# Altium PCB CL-HC-M-V2.1gerber.PcbDoc (part 12 of 18) (continued)
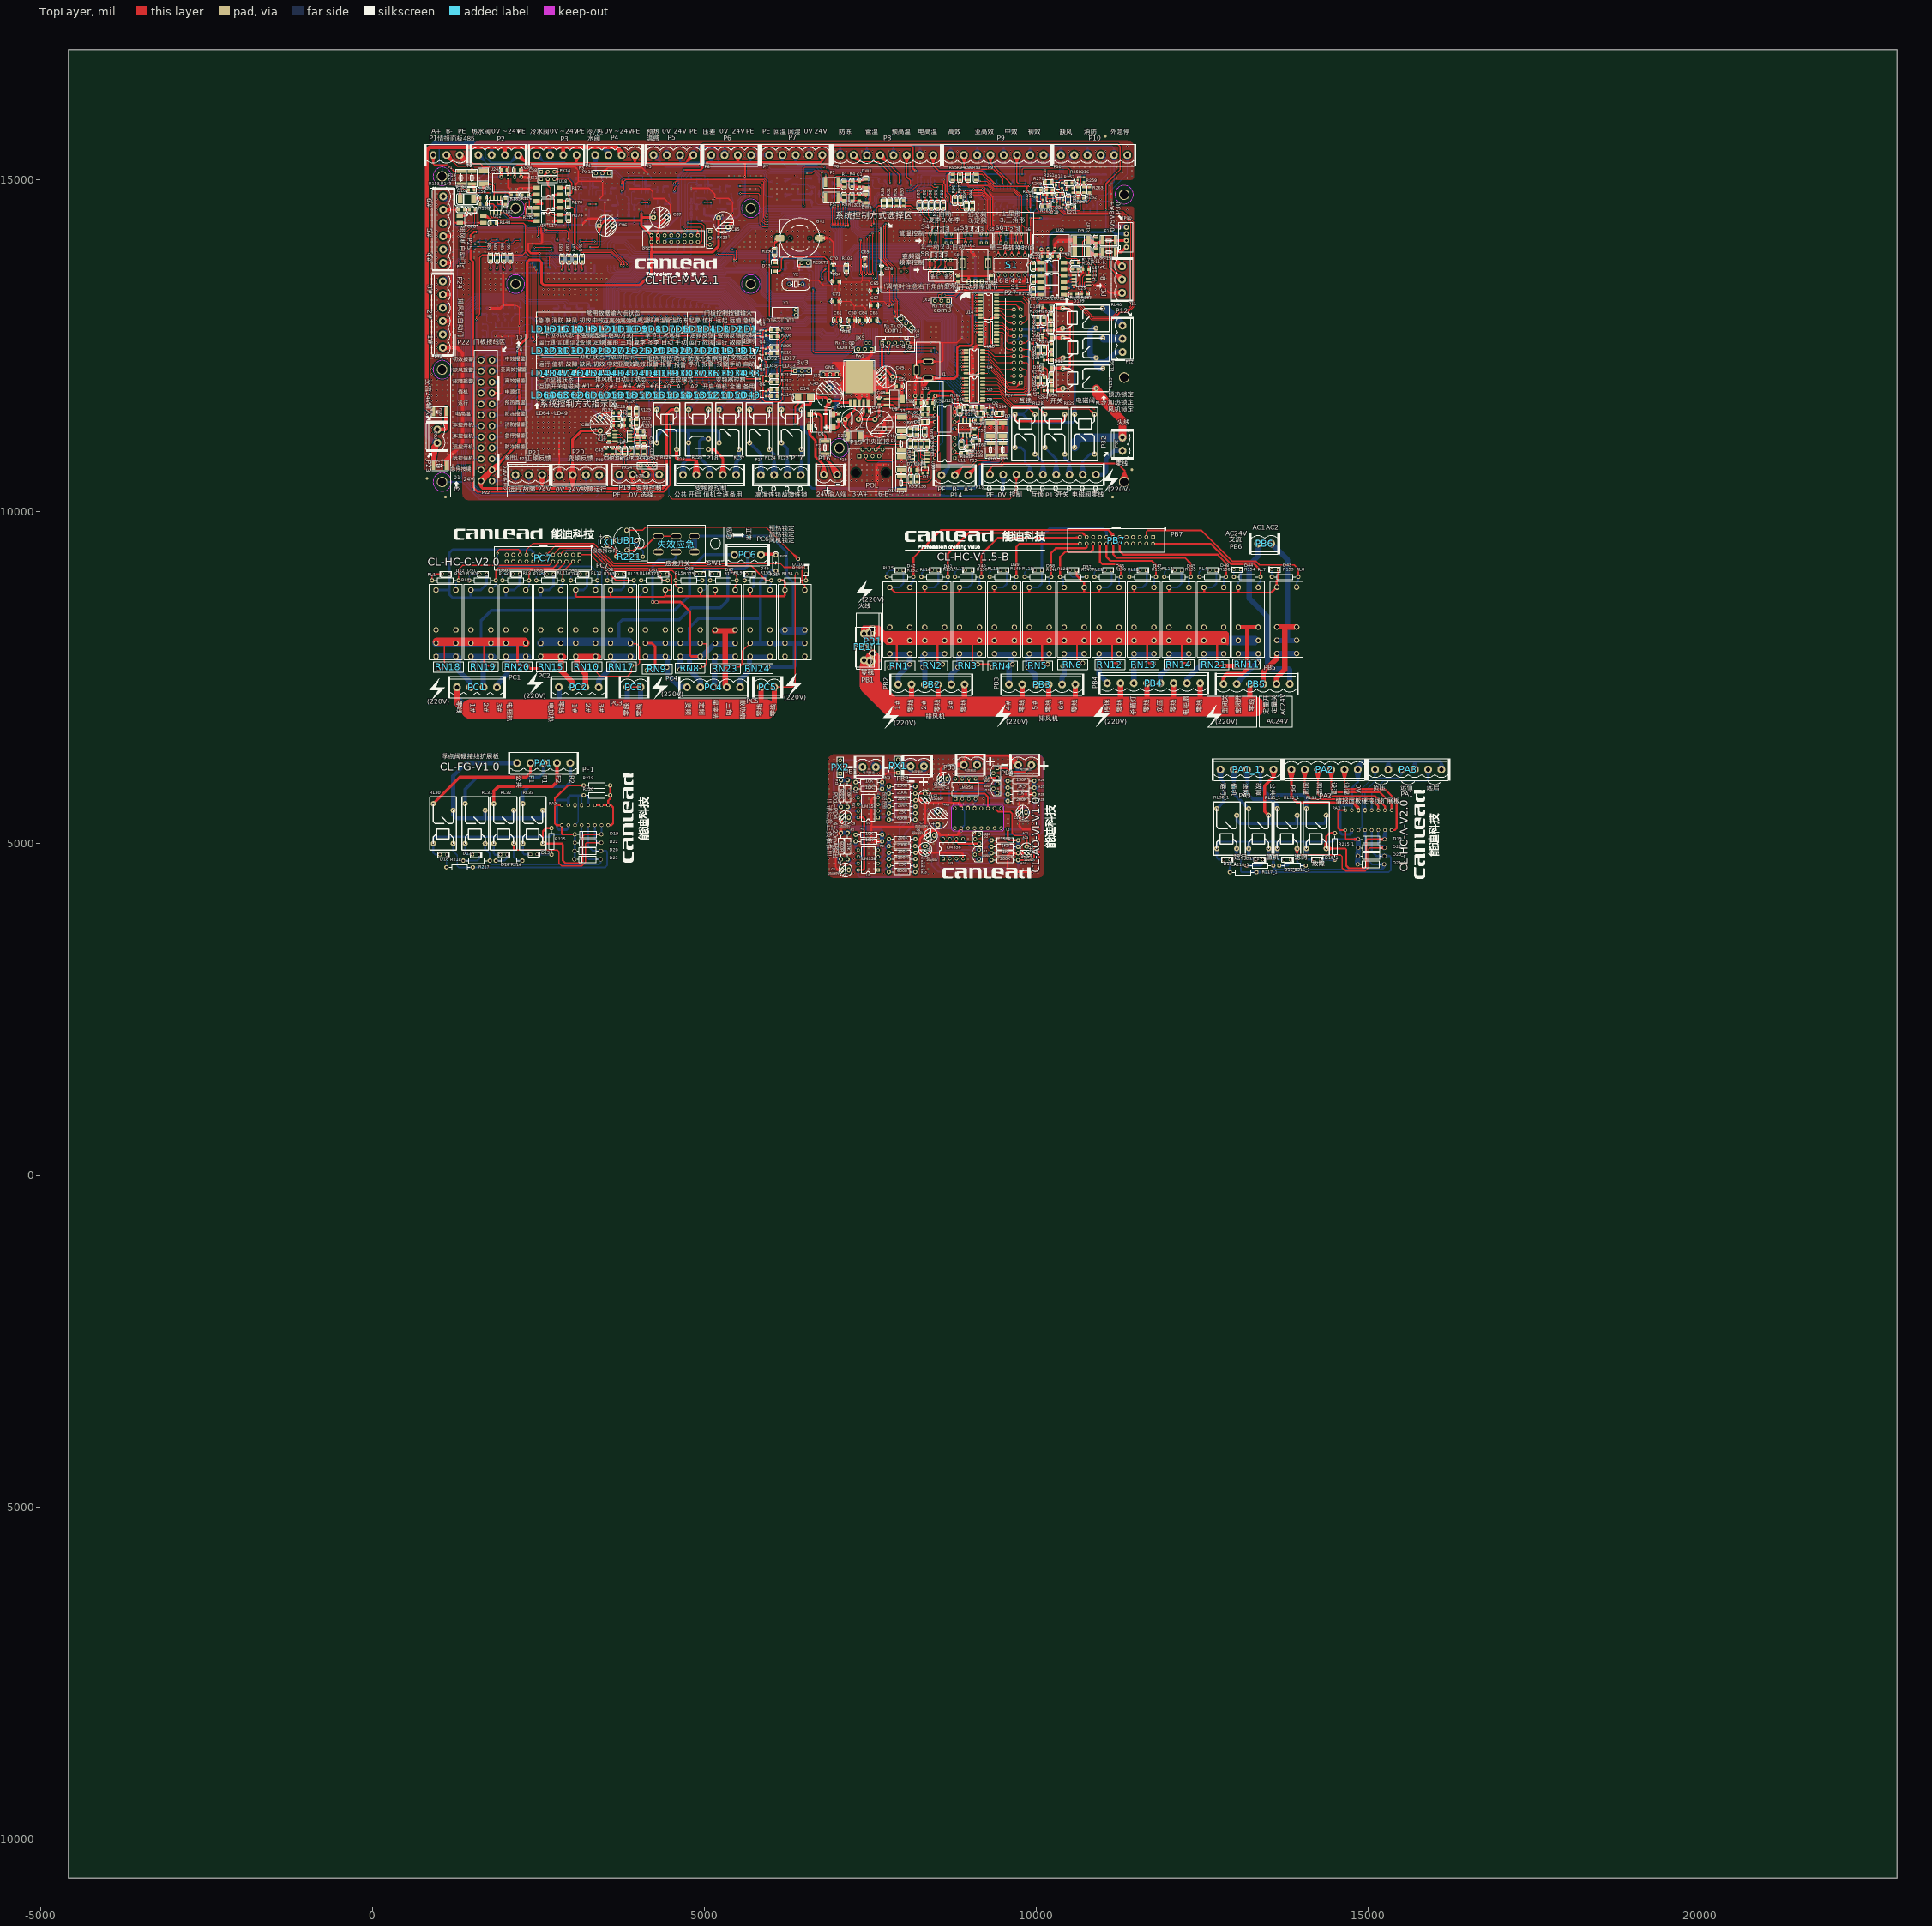
[diagram p0: TopLayer view]
## Nets (pads, with @x,y where several pads share a name; then routed paths per layer and width w, separated by ;. In a path a pad name is that pad's centre, name@x,y a point inside that pad or via, vN(x,y) a via of type N, cw(c..) or ccw(c..) an arc to the next point about the centre after c; other vN are vias at no path point) (continued)
  BottomLayer w10: R203.2@4053.95,12983.84 v1@4068.79,12936.09 ; v1@4060.78,12269.4 4068.79,12227.65 ; v1@4060.78,12270.92 4068.79,12312.67 ; v1@4060.78,12602.38 4068.79,12560.63 ; v1@4060.78,12602.45 4068.43,12560.64 v1@4075.72,12602.51 ; v1@4060.78,12603.9 4068.79,12645.65 ; v1@4060.78,12930.01 4068.79,12888.25 ; v1@4060.85,12929.53 R203.2@4057.46,12972.54 ; v1@4061.24,12933.43 R203.2@4080,12972.2 ; v1@4061.32,11937.84 4068.79,11979.68 ; 4068.25,12363.38 4068.79,12489.78 v1(4068.79,11937.18) 4068.79,11979.68 ; v1@4075.32,12933.26 R203.2@4057.46,12972.54 ; v1@4075.61,12929.35 R203.2@4080,12972.2 ; v1@4075.72,12269.59 4068.79,12227.65 ; v1@4075.72,12270.72 4068.79,12312.67 ; v1@4075.72,12602.58 4068.79,12560.63 ; v1@4075.72,12603.71 4068.79,12645.65 ; v1@4075.72,12930.2 4068.79,12888.25 ; v1@4076.26,11937.84 4068.79,11979.68 ; R203.2@4083.62,12983.84 v1@4068.79,12936.09 ; R203.2@4057.46,12972.54 v1(4068.25,12930.77) ; v1(4068.25,12603.14) 4068.79,12476.74 R203.2@4068.79,12986.09 v1@4068.79,12936.09 ; v1(4068.25,12603.14) 4068.79,12645.65 ; v1(4068.25,12603.14) 4068.79,12560.63 ; v1(4068.25,12930.77) R203.2@4080,12972.2 ; v1(4068.25,12930.77) R203.2@4068.79,12973.28 ; v1(4068.25,12930.77) R203.2@4068.79,12973.27 ; v1(4068.25,12930.77) 4068.79,12888.25 ; 4068.79,12227.65 v1(4068.25,12270.16) 4068.79,12312.67 ; R203.2@4068.79,12973.28 4060.78,12931.52 R203.2@4068.79,12973.27 ; R203.2@4068.79,12973.28 4075.72,12931.33 R203.2@4068.79,12973.27
LED-OUT-PIN14: LD14.K LD30.K LD46.K LD62.K R204.2 | length 8359.4
  TopLayer w10: LD46.K@3026.9,12086.56 3084.3,12086.56 3143.51,12145.76 3473.94,12145.76 3553.17,12224.99 3931.85,12224.99 v1(3977.02,12270.16) 3943.31,12236.45 ; LD30.K@3026.9,12419.54 3084.3,12419.54 3143.51,12478.74 3473.94,12478.74 3553.17,12557.98 3931.85,12557.98 v1(3977.02,12603.14) 3943.31,12569.43 ; LD14.K@3026.9,12747.17 3084.3,12747.17 3143.51,12806.37 3473.94,12806.37 3553.17,12885.6 3931.85,12885.6 v1(3977.02,12930.77) 3943.31,12897.05 ; LD62.K@3027.44,11753.58 3084.85,11753.58 3144.05,11812.78 3474.48,11812.78 3553.71,11892.01 3932.4,11892.01 v1(3977.56,11937.18) 3943.85,11903.46 ; LD46.K@3027.81,12076.6 3081.9,12086.56 ; LD46.K@3027.81,12096.52 3081.9,12086.56 ; LD30.K@3027.81,12409.58 3081.9,12419.54 ; LD30.K@3027.81,12429.5 3081.9,12419.54 ; LD14.K@3027.81,12737.21 3081.9,12747.17 ; LD14.K@3027.81,12757.12 3081.9,12747.17 ; LD62.K@3028.35,11743.62 3082.44,11753.58 ; LD62.K@3028.35,11763.53 3082.44,11753.58 ; LD46.K@3030.53,12066.89 3081.9,12086.56 ; LD46.K@3030.53,12106.23 3081.9,12086.56 ; LD30.K@3030.53,12399.87 3081.9,12419.54 ; LD30.K@3030.53,12439.21 3081.9,12419.54 ; LD14.K@3030.53,12727.5 3081.9,12747.17 ; LD14.K@3030.53,12766.83 3081.9,12747.17 ; LD62.K@3031.08,11733.91 3082.44,11753.58 ; LD62.K@3031.08,11773.24 3082.44,11753.58 ; v1@3971.32,12275.03 3943.31,12236.45 ; v1@3971.32,12608.01 3943.31,12569.43 ; v1@3971.32,12935.64 3943.31,12897.05 ; v1@3971.86,11942.05 3943.85,11903.46 ; v1@3981.89,12264.45 3943.31,12236.45 ; v1@3981.89,12597.44 3943.31,12569.43 ; v1@3981.89,12925.06 3943.31,12897.05 ; v1@3982.43,11931.47 3943.85,11903.46
  BottomLayer w10: R204.2@3962.73,12983.84 v1@3977.56,12936.09 ; v1@3969.56,12269.4 3977.56,12227.65 ; v1@3969.56,12270.92 3977.56,12312.67 ; v1@3969.56,12602.38 3977.56,12560.63 ; v1@3969.55,12602.45 3977.21,12560.64 v1@3984.49,12602.51 ; v1@3969.56,12603.9 3977.56,12645.65 ; v1@3969.56,12930.01 3977.56,12888.25 ; v1@3969.62,12929.53 R204.2@3966.24,12972.54 ; v1@3970.01,12933.43 R204.2@3988.77,12972.2 ; v1@3970.09,11937.84 3977.56,11979.68 ; 3977.02,12363.38 3977.56,12483.26 ; v1@3984.09,12933.26 R204.2@3966.24,12972.54 ; v1@3984.39,12929.35 R204.2@3988.77,12972.2 ; v1@3984.5,12269.59 3977.56,12227.65 ; v1@3984.5,12270.72 3977.56,12312.67 ; v1@3984.5,12602.58 3977.56,12560.63 ; v1@3984.5,12603.71 3977.56,12645.65 ; v1@3984.5,12930.2 3977.56,12888.25 ; v1@3985.03,11937.84 3977.56,11979.68 ; R204.2@3992.39,12983.84 v1@3977.56,12936.09 ; R204.2@3966.24,12972.54 v1(3977.02,12930.77) ; v1(3977.02,12603.14) 3977.56,12483.26 ; v1(3977.02,12603.14) 3977.56,12645.65 ; v1(3977.02,12603.14) 3977.56,12560.63 ; v1(3977.02,12930.77) R204.2@3988.77,12972.2 ; v1(3977.02,12930.77) R204.2@3977.56,12973.28 ; v1(3977.02,12930.77) R204.2@3977.56,12973.27 ; v1(3977.02,12930.77) 3977.56,12888.25 ; 3977.56,11979.68 v1(3977.56,11937.18) 3977.56,12483.26 ; 3977.56,12227.65 v1(3977.02,12270.16) 3977.56,12312.67 ; 3977.56,12483.26 R204.2@3977.56,12986.09 v1@3977.56,12936.09 ; R204.2@3977.56,12973.28 3969.56,12931.52 R204.2@3977.56,12973.27 ; R204.2@3977.56,12973.28 3984.5,12931.33 R204.2@3977.56,12973.27
LED-OUT-PIN15: LD15.K LD31.K LD47.K LD63.K R205.2 | length 8564.6
  TopLayer w10: LD47.K@2821.11,12086.56 2869.81,12086.56 ; LD31.K@2821.11,12419.54 2869.81,12419.54 ; LD15.K@2821.11,12747.17 2869.81,12747.17 ; LD63.K@2821.65,11753.58 2870.36,11753.58 ; LD47.K@2822.13,12076.61 2869.81,12086.56 ; LD47.K@2822.13,12096.51 2869.81,12086.56 ; LD31.K@2822.13,12409.59 2869.81,12419.54 ; LD31.K@2822.13,12429.49 2869.81,12419.54 ; LD15.K@2822.13,12737.22 2869.81,12747.17 ; LD15.K@2822.13,12757.11 2869.81,12747.17 ; LD63.K@2822.68,11743.63 2870.36,11753.58 ; LD63.K@2822.68,11763.52 2870.36,11753.58 ; LD47.K@2825.21,12066.98 2869.81,12086.56 ; LD47.K@2825.21,12106.13 2869.81,12086.56 ; LD31.K@2825.21,12399.97 2869.81,12419.54 ; LD31.K@2825.21,12439.12 2869.81,12419.54 ; LD15.K@2825.21,12727.59 2869.81,12747.17 ; LD15.K@2825.21,12766.74 2869.81,12747.17 ; LD63.K@2825.76,11734 2870.36,11753.58 ; LD63.K@2825.76,11773.15 2870.36,11753.58 ; v1@3879.97,12274.89 3860.09,12244.45 ; v1@3879.97,12607.87 3860.09,12577.44 ; v1@3879.97,12935.49 3860.09,12905.06 ; v1@3880.51,11941.9 3860.63,11911.47 ; v1@3890.52,12264.34 3860.09,12244.45 ; v1@3890.52,12597.32 3860.09,12577.44 ; v1@3890.52,12924.94 3860.09,12905.06 ; v1@3891.06,11931.35 3860.63,11911.47 ; 2869.81,12086.56 2916.51,12133.26 3105.55,12133.26 3136.05,12163.76 3455.3,12163.76 3535.99,12244.45 3860.09,12244.45 ; 2869.81,12419.54 2916.51,12466.24 3105.55,12466.24 3136.05,12496.74 3455.3,12496.74 3535.99,12577.44 3860.09,12577.44 ; 2869.81,12747.17 2916.51,12793.87 3105.55,12793.87 3136.05,12824.37 3455.3,12824.37 3535.99,12905.06 3860.09,12905.06 ; 2870.36,11753.58 2917.06,11800.28 3106.09,11800.28 3136.59,11830.78 3455.84,11830.78 3536.54,11911.47 3860.63,11911.47 ; 3860.09,12244.45 v1(3885.79,12270.16) 3860.09,12244.45 ; 3860.09,12577.44 v1(3885.79,12603.14) 3860.09,12577.44 ; 3860.09,12905.06 v1(3885.79,12930.77) 3860.09,12905.06 ; 3860.63,11911.47 v1(3886.34,11937.18) 3860.63,11911.47
  BottomLayer w10: R205.2@3871.5,12983.84 v1@3886.34,12936.09 ; v1@3878.33,12269.4 3886.34,12227.65 ; v1@3878.33,12270.92 3886.34,12312.67 ; v1@3878.33,12602.38 3886.34,12560.63 ; v1@3878.32,12602.45 3885.97,12560.64 v1@3893.26,12602.51 ; v1@3878.33,12603.9 3886.34,12645.65 ; v1@3878.33,12930.01 3886.34,12888.25 ; v1@3878.39,12929.53 R205.2@3875.01,12972.54 ; v1@3878.78,12933.43 R205.2@3897.55,12972.2 ; v1@3878.86,11937.84 3886.34,11979.68 v1@3893.81,11937.84 ; 3885.79,12363.38 3886.34,12489.78 v1(3886.34,11937.18) ; v1@3892.86,12933.26 R205.2@3875.01,12972.54 ; v1@3893.16,12929.35 R205.2@3897.55,12972.2 ; v1@3893.27,12269.59 3886.34,12227.65 ; v1@3893.27,12270.72 3886.34,12312.67 ; v1@3893.27,12602.58 3886.34,12560.63 ; v1@3893.27,12603.71 3886.34,12645.65 ; v1@3893.27,12930.2 3886.34,12888.25 ; R205.2@3901.16,12983.84 v1@3886.34,12936.09 ; R205.2@3875.01,12972.54 v1(3885.79,12930.77) ; v1(3885.79,12603.14) 3886.34,12476.74 R205.2@3886.33,12986.09 v1@3886.34,12936.09 ; v1(3885.79,12603.14) 3886.34,12645.65 ; v1(3885.79,12603.14) 3886.34,12560.63 ; v1(3885.79,12930.77) R205.2@3897.55,12972.2 ; v1(3885.79,12930.77) R205.2@3886.33,12973.28 ; v1(3885.79,12930.77) R205.2@3886.34,12973.27 ; v1(3885.79,12930.77) 3886.34,12888.25 ; 3886.34,12227.65 v1(3885.79,12270.16) 3886.34,12312.67 ; R205.2@3886.33,12973.28 3878.33,12931.52 R205.2@3886.34,12973.27 ; R205.2@3886.33,12973.28 3893.27,12931.33 R205.2@3886.34,12973.27
LED-OUT-PIN16: LD16.K LD32.K LD48.K LD64.K R206.2 | length 9079.1
  TopLayer w10: LD48.K@2615.32,12086.56 2664.55,12086.56 ; LD32.K@2615.32,12419.54 2664.55,12419.54 ; LD16.K@2615.32,12747.17 2664.55,12747.17 ; LD64.K@2615.86,11753.58 2665.1,11753.58 ; LD48.K@2616.33,12076.61 2664.55,12086.56 ; LD48.K@2616.33,12096.51 2664.55,12086.56 ; LD32.K@2616.33,12409.59 2664.55,12419.54 ; LD32.K@2616.33,12429.49 2664.55,12419.54 ; LD16.K@2616.33,12737.22 2664.55,12747.17 ; LD16.K@2616.33,12757.11 2664.55,12747.17 ; LD64.K@2616.88,11743.63 2665.1,11753.58 ; LD64.K@2616.88,11763.52 2665.1,11753.58 ; LD48.K@2619.38,12066.98 2664.55,12086.56 ; LD48.K@2619.38,12106.14 2664.55,12086.56 ; LD32.K@2619.38,12399.96 2664.55,12419.54 ; LD32.K@2619.38,12439.12 2664.55,12419.54 ; LD16.K@2619.38,12727.58 2664.55,12747.17 ; LD16.K@2619.38,12766.75 2664.55,12747.17 ; LD64.K@2619.92,11733.99 2665.1,11753.58 ; LD64.K@2619.92,11773.16 2665.1,11753.58 ; v1@3793.9,12262.69 3752.07,12270.16 ; v1@3793.9,12277.63 3752.07,12270.16 ; v1@3793.9,12595.67 3752.07,12603.14 ; v1@3793.9,12610.61 3752.07,12603.14 ; v1@3793.9,12923.29 3752.07,12930.77 ; v1@3793.9,12938.24 3752.07,12930.77 ; v1@3794.45,11929.7 3752.61,11937.18 ; v1@3794.45,11944.65 3752.61,11937.18 ; 2664.55,12086.56 2729.25,12151.26 3084.38,12151.26 3114.89,12181.76 3445.99,12181.76 3534.39,12270.16 v1(3794.57,12270.16) 3752.07,12270.16 ; 2664.55,12419.54 2729.25,12484.24 3084.38,12484.24 3114.89,12514.74 3445.99,12514.74 3534.39,12603.14 v1(3794.57,12603.14) 3752.07,12603.14 ; 2664.55,12747.17 2729.25,12811.87 3084.38,12811.87 3114.89,12842.37 3445.99,12842.37 3534.39,12930.77 v1(3794.57,12930.77) 3752.07,12930.77 ; 2665.1,11753.58 2729.8,11818.28 3084.93,11818.28 3115.43,11848.78 3446.53,11848.78 3534.93,11937.18 v1(3795.11,11937.18) 3752.61,11937.18
  BottomLayer w10: R206.2@3780.28,12983.84 v1@3795.11,12936.09 ; v1@3787.1,12269.4 3795.11,12227.65 ; v1@3787.1,12270.92 3795.11,12312.67 ; v1@3787.1,12602.38 3795.11,12560.63 ; v1@3787.1,12602.45 3794.76,12560.64 v1@3802.04,12602.51 ; v1@3787.1,12603.9 3795.11,12645.65 ; v1@3787.1,12930.01 3795.11,12888.25 ; v1@3787.17,12929.53 R206.2@3783.79,12972.54 ; v1@3787.56,12933.43 R206.2@3806.32,12972.2 ; v1@3787.64,11937.84 3795.11,11979.68 v1@3802.58,11937.84 ; 3794.57,12363.38 3795.11,12483.26 ; R206.2@3795.11,12986.09 v1@3795.11,12936.09 ; v1(3795.11,11937.18) 3795.11,12483.26 ; R206.2@3795.11,12986.09 3795.11,12483.26 ; v1@3801.64,12933.26 R206.2@3783.79,12972.54 ; v1@3801.93,12929.35 R206.2@3806.32,12972.2 ; v1@3802.04,12269.59 3795.11,12227.65 ; v1@3802.04,12270.72 3795.11,12312.67 ; v1@3802.04,12602.58 3795.11,12560.63 ; v1@3802.04,12603.71 3795.11,12645.65 ; v1@3802.04,12930.2 3795.11,12888.25 ; R206.2@3809.94,12983.84 v1@3795.11,12936.09 ; R206.2@3783.79,12972.54 v1(3794.57,12930.77) ; v1(3794.57,12603.14) 3795.11,12483.26 ; v1(3794.57,12603.14) 3795.11,12645.65 ; v1(3794.57,12603.14) 3795.11,12560.63 ; v1(3794.57,12930.77) R206.2@3806.32,12972.2 ; v1(3794.57,12930.77) R206.2@3795.11,12973.28 ; v1(3794.57,12930.77) R206.2@3795.11,12973.27 ; v1(3794.57,12930.77) 3795.11,12888.25 ; R206.2@3795.11,12973.28 3787.1,12931.52 R206.2@3795.11,12973.27 ; R206.2@3795.11,12973.28 3802.04,12931.33 R206.2@3795.11,12973.27 ; 3795.11,12227.65 v1(3794.57,12270.16) 3795.11,12312.67
LED-PIN01: R191.1 U33.118 | length 2993.7
  BottomLayer w10: R191.1@5163.5,13071.09 5226.2,13071.09 5945.61,12351.69 7132.16,12351.69 7435.77,12655.3 U33.118@7435.77,12768.25 ; R191.1@5168.5,13071.09 5218.5,13071.09 ; R191.1@5170.75,13056.26 5218.5,13071.09 ; R191.1@5170.75,13085.92 5218.5,13071.09 ; 7435.77,12703.25 U33.118@7435.77,12738
LED-PIN02: R192.1 U33.119 | length 3049.6
  BottomLayer w10: R192.1@5057.52,13073.82 5072.28,13112.36 ; R192.1@5072.28,13071.09 5072.28,13112.36 ; R192.1@5087.03,13073.82 5072.28,13112.36 ; 7416.09,12703.25 U33.119@7416.09,12738 ; U33.119@7416.09,12768.25 7416.09,12661.07 7124.7,12369.69 5953.06,12369.69 5196.27,13126.48 5086.4,13126.48 5072.28,13112.36
LED-PIN03: R193.1 U33.122 | length 3127.8
  BottomLayer w10: R193.1@4966.22,13073.34 4981.05,13121.09 R193.1@4995.88,13073.34 ; R193.1@4981.05,13071.09 4981.05,13127.64 4997.89,13144.48 5203.73,13144.48 5960.52,12387.69 7117.24,12387.69 7357.03,12627.47 U33.122@7357.03,12768.25 ; 7357.03,12703.25 U33.122@7357.03,12738
LED-PIN04: R194.1 U33.123 | length 3207.5
  BottomLayer w10: R194.1@4874.99,13073.34 4889.82,13121.09 R194.1@4904.65,13073.34 ; R194.1@4889.82,13071.09 4889.82,13147.36 4904.94,13162.48 5211.18,13162.48 5967.98,12405.69 7109.79,12405.69 7337.35,12633.24 U33.123@7337.35,12768.25 ; 7337.35,12703.25 U33.123@7337.35,12738
LED-PIN05: R195.1 U33.124 | length 3284
  BottomLayer w10: R195.1@4783.77,13073.34 4798.6,13121.09 R195.1@4813.43,13073.34 ; R195.1@4798.6,13071.09 4798.6,13161.48 4817.6,13180.48 5218.64,13180.48 5975.43,12423.69 7102.33,12423.69 7317.66,12639.01 U33.124@7317.66,12768.25 ; 7317.66,12703.25 U33.124@7317.66,12738
LED-PIN06: R196.1 U33.125 | length 3359.1
  BottomLayer w10: R196.1@4692.54,13073.34 4707.37,13121.09 R196.1@4722.2,13073.34 ; R196.1@4707.37,13071.09 4707.37,13173.43 4732.42,13198.48 5226.09,13198.48 5982.89,12441.69 7094.88,12441.69 7297.98,12644.78 U33.125@7297.98,12768.25 ; 7297.98,12703.25 U33.125@7297.98,12738
LED-PIN07: R197.1 U33.126 | length 3432.7
  BottomLayer w10: R197.1@4601.31,13073.34 4616.14,13121.09 R197.1@4630.97,13073.34 ; R197.1@4616.14,13071.09 4616.14,13180.71 4653.31,13217.88 5235.8,13217.88 5994,12459.69 7087.42,12459.69 7278.29,12650.55 U33.126@7278.29,12768.25 ; 7278.29,12703.25 U33.126@7278.29,12738
LED-PIN08: R198.1 U33.127 | length 3502.3
  BottomLayer w10: R198.1@4510.09,13073.34 4524.92,13121.09 R198.1@4539.75,13073.34 ; R198.1@4524.92,13071.09 4524.92,13183.2 4577.59,13235.88 5243.26,13235.88 6001.45,12477.69 7079.97,12477.69 7258.61,12656.33 U33.127@7258.61,12768.25 ; 7258.61,12703.25 U33.127@7258.61,12738
LED-PIN09: R199.1 U33.128 | length 3575.3
  BottomLayer w10: R199.1@4418.86,13073.34 4433.69,13121.09 R199.1@4448.52,13073.34 ; R199.1@4433.69,13071.09 4433.69,13191.35 4496.22,13253.88 5250.72,13253.88 6008.91,12495.69 7072.51,12495.69 7238.92,12662.1 U33.128@7238.92,12768.25 ; 7238.92,12703.25 U33.128@7238.92,12738
LED-PIN10: R200.1 U33.129 | length 3667
  BottomLayer w10: R200.1@4327.63,13073.34 4342.47,13121.09 R200.1@4357.3,13073.34 ; R200.1@4342.47,13071.09 4342.47,13231.53 4382.81,13271.88 5258.17,13271.88 6016.36,12513.69 7065.05,12513.69 7219.24,12667.87 U33.129@7219.24,12768.25 ; 7219.24,12703.25 U33.129@7219.24,12738
LED-PIN11: R201.1 U33.132 | length 3715.2
  BottomLayer w10: R201.1@4236.41,13073.34 4251.24,13121.09 R201.1@4266.07,13073.34 ; R201.1@4251.24,13071.09 4251.24,13229.36 4311.76,13289.88 5265.63,13289.88 6023.82,12531.69 7053.64,12531.69 7160.18,12638.23 U33.132@7160.18,12768.25 ; 7160.18,12703.25 U33.132@7160.18,12738
LED-PIN12: R202.1 U33.133 | length 3794.2
  BottomLayer w10: R202.1@4145.18,13073.34 4160.01,13121.09 R202.1@4174.84,13073.34 ; R202.1@4160.01,13071.09 4160.01,13247.84 4220.05,13307.88 5273.08,13307.88 6031.28,12549.69 7046.18,12549.69 7140.5,12644 U33.133@7140.5,12768.25 ; 7140.5,12703.25 U33.133@7140.5,12738
LED-PIN13: R203.1 U33.134 | length 3877.6
  BottomLayer w10: R203.1@4053.95,13073.34 4068.79,13121.09 R203.1@4083.62,13073.34 ; R203.1@4068.79,13071.09 4068.79,13273.89 4120.78,13325.88 5280.54,13325.88 6038.73,12567.69 7038.73,12567.69 7120.81,12649.77 U33.134@7120.81,12768.25 ; 7120.81,12703.25 U33.134@7120.81,12738
LED-PIN14: R204.1 U33.135 | length 3921.4
  BottomLayer w10: R204.1@3962.73,13073.34 3977.56,13121.09 R204.1@3992.39,13073.34 ; R204.1@3977.56,13071.09 3977.56,13245.11 4076.33,13343.88 5288,13343.88 6046.19,12585.69 7018.38,12585.69 7101.13,12668.43 U33.135@7101.13,12768.25 ; 7101.13,12703.25 U33.135@7101.13,12738
LED-PIN15: R205.1 U33.141 | length 3804.2
  BottomLayer w10: R205.1@3871.5,13073.34 3886.33,13121.09 R205.1@3901.16,13073.34 ; R205.1@3886.33,13071.09 3886.33,13257.6 3924.17,13295.43 4001.75,13295.43 4069.23,13362.91 5294.94,13362.91 5908.07,12749.78 6763.75,12749.78 6825.27,12688.26 6962.95,12688.26 6983.02,12708.33 ; U33.141@6983.02,12738 6983.02,12708.33 ; U33.141@6983.02,12768.25 6983.02,12708.33
LED-PIN16: R206.1 U33.142 | length 3873.7
  BottomLayer w10: R206.1@3780.28,13073.34 3795.11,13121.09 R206.1@3809.94,13073.34 ; R206.1@3795.11,13071.09 3795.11,13281.49 3827.05,13313.43 3994.3,13313.43 4061.78,13380.92 5305.32,13380.92 5918.46,12767.78 6771.21,12767.78 6832.72,12706.26 6951.19,12706.26 6963.33,12718.4 ; U33.142@6963.33,12738 6963.33,12718.4 ; U33.142@6963.33,12768.25 6963.33,12718.4
L加热: P12.2 PC6.2 RL11.4 RL12.4 RL13.4 RL36.3 RN10.1 RN17.1 | length 6201.5
  TopLayer w20: RN10.1@3380.79,7682.09 3380.79,7570.63 3433.86,7517.57 3840.35,7517.57 3900.79,7578.01 RN17.1@3900.79,7682.09 3988.8,7682.09 4020.29,7713.58 4020.29,7966.1 3980.76,8005.62 3929.61,8005.62
  BottomLayer w45: 3714.07,8040.21 3714.07,8315.58 3765.77,8367.27 4620.91,8367.27 4800.74,8547.1 5238.55,8547.1 5354.55,8663.1 5354.55,9057.68 5433.55,9136.68 5612.55,9136.68 5652.79,9176.91 PC6.2@5652.79,9348.44
  BottomLayer w118.11: RL11.4@2534.87,8017.3 2557.77,8040.21 3714.07,8040.21 3863.71,8040.21 RL13.4@3886.61,8017.3 ; RL36.3@11004.37,12615.01 P12.2@11302.26,12601.51 RL36.3@11017.87,12601.51
L变频: FUSE.1 FUSE.2 P12.3 PC6.3 RL5.4 RL6.4 RL10.4 RL34.4 RL35.3 RL36.4 RL40.4 RN8.1 RN9.1 RN23.1 RN24.1 | length 8519
  TopLayer w20: RL5.4@4933.35,8007.07 5024.33,8007.07 5032.67,7998.73 5032.67,7697.6 4994.02,7658.95 RN8.1@4946.04,7658.95 ; RN23.1@5465.48,7658 5526.48,7658 5566.9,7698.41 5566.9,7893.13 RL10.4@5678.93,8005.16
  TopLayer w39.37: RL6.4@4112.49,8017.3 4209.71,8017.3 4257.68,7969.34 4257.68,7643.55 4219.74,7605.61 RN9.1@4134.99,7605.61
  TopLayer w45: PC6.3@5852.79,9348.44 5861.82,9357.47 6064.17,9357.47 FUSE.1@6075.99,9345.66
  BottomLayer w45: 4770,8017.3 4770,8247.41 4911.22,8388.63 5844.29,8388.63 ; 5842.83,8017.3 5844.29,8018.76 5844.29,8388.63 ; PC6.3@5844.29,9339.95 PC6.3@5852.79,9348.44 ; FUSE.2@6075.99,9105.66 6001.44,9105.66 5844.29,8948.51 5844.29,8388.63
  BottomLayer w60: RN24.1@5960.11,7658 6348.74,7658 6359.82,7669.08 6359.82,8005.16 ; 6058.85,8005.16 6068.42,7995.59
  BottomLayer w80: RL6.4@4112.49,8017.3 RL6.4@4412.49,8017.3 RL5.4@4638.36,8017.3 4770,8017.3 RL5.4@4938.36,8017.3 ; RL10.4@5690.11,8017.3 5842.83,8017.3 RL10.4@5990.11,8017.3 RL34.4@6214.61,8017.3 6487.23,8017.3 RL34.4@6498.42,8006.11 ; P12.3@11302.26,12401.51 11205.31,12401.51 11059.83,12256.03 10904.37,12256.03 ; 10812.38,12356.36 10812.38,12710.36 ; 10812.38,12356.36 10853.72,12315.01 ; 10812.38,12356.36 RL36.4@10904.37,12315.01 ; 10812.38,12710.36 10863.47,12761.46 RL40.4@10900.31,12761.46 10812.38,12710.36 ; 10853.72,12315.01 RL36.4@10904.37,12315.01 ; 10853.72,12315.01 RL36.4@10904.37,12315.01 ; 10904.37,12198.37 10947.74,12155 ; 10904.37,12198.37 RL35.3@11004.37,12155 ; 10904.37,12198.37 10904.37,12256.03 ; 10904.37,12256.03 RL36.4@10904.37,12315.01 ; 10947.74,12155 RL35.3@11004.37,12155 ; 10947.74,12155 RL35.3@11004.37,12155
L预热: P12.1 PC6.1 RL1.4 RL2.4 RL3.4 RL40.3 RN15.1 RN18.1 RN19.1 RN20.1 | length 10478.9
  TopLayer w20: RL1.4@986.52,8024.32 1077.49,8024.32 1085.83,8015.98 1085.83,7652.97 1068.62,7635.77 RN18.1@989.86,7635.77 ; RL2.4@1814.37,8007.53 1676.38,8007.53 1676.38,7736.73 1739.9,7673.22 RN19.1@1820.12,7673.22
  TopLayer w39.37: 2183.83,8040.21 2183.83,7712.63 2214.37,7682.09 RN20.1@2330.79,7682.09 2376.46,7636.42 RN15.1@2538.43,7636.42
  TopLayer w118.11: RL1.4@967.32,8040.21 2183.83,8040.21 2286.09,8040.21 RL3.4@2308.99,8017.3
  BottomLayer w45: 1635.63,8033.32 1635.63,8356.15 1793.11,8513.63 4553.94,8513.63 4778.35,8738.04 4778.35,9123.92 4780.07,9123.92 5004.59,9348.44 PC6.1@5452.79,9348.44
  BottomLayer w80: 11091.69,13045.04 P12.1@11302.26,12801.51 11302.26,12834.48 11075.28,13061.46 ; 11254.95,12881.78 RL40.3@11000.31,13061.46 ; RL40.3@11000.31,13061.46 11075.28,13061.46 ; RL40.3@11000.31,13061.46 11075.28,13061.46
  BottomLayer w118.11: RL1.4@957.25,8017.3 RL1.4@1257.25,8017.3 RL2.4@1483.12,8017.3 RL2.4@1783.12,8017.3 RL3.4@2008.99,8017.3 RL3.4@2308.99,8017.3
MAOUT1+: PB1.1@7582.5,6148.82 PX2.3 R20.2@7778.66,5359.72 | length 2434.6
  BottomLayer w30: PX2.3@7047.6,6248.82 7488.14,6248.82 ; PB1.1@7546.03,6124.11 7488.14,6248.82 ; PB1.1@7591.64,6105.72 7688.68,6148.82 ; PB1.1@7591.64,6191.92 7688.68,6148.82 ; PB1.1@7609.29,6183.8 7488.14,6248.82 ; R20.2@7778.66,5359.72 7858.66,5359.72 ; R20.2@7780.58,5342.33 7858.66,5359.72 ; R20.2@7780.58,5377.12 7858.66,5359.72 ; 7488.14,6248.82 7582.5,6154.46 PB1.1@7582.5,6148.82 ; 7488.14,6248.82 PB1.1@7582.5,6148.82 ; PB1.1@7582.5,6148.82 7688.68,6148.82 ; 7688.68,6148.82 7888.14,5949.36 7888.14,5389.2 7858.66,5359.72
MAOUT1-: PB1.2@7382.5,6148.82 PX2.2 R19.2@7057.77,5549.88 | length 1759.4
  BottomLayer w30: R19.2@7044.63,5538.33 6961.63,5646.02 R19.2@7069.32,5563.03 ; R19.2@7057.77,5549.88 6948.14,5659.51 6948.14,6079.36 ; PB1.2@7375.99,6105.25 7233.45,6148.82 PB1.2@7375.99,6192.39 ; PB1.2@7382.5,6148.82 7077.6,6148.82 7017.6,6148.82 ; 6948.14,6079.36 7017.6,6148.82 ; 6948.14,6079.36 PX2.2@7047.6,6148.82 7017.6,6148.82
MAOUT2+: PB4.1@9928.14,6179.36 Q4.1@9418.14,6132.07 | length 573.3
  TopLayer w30: Q4.1@9418.14,6132.07 9555.42,6132.07 9608.14,6079.36 9828.14,6079.36 PB4.1@9928.14,6179.36
MAOUT11+: PB2.1@8308.14,6159.36 PX1.3 R10.2@7778.66,4569.72 | length 3260.7
  BottomLayer w30: R10.2@7778.66,4569.72 7940.16,4731.22 7940.16,5217.23 8018.14,5295.21 8018.14,5869.36 8128.14,5979.36 8243.14,5979.36 8308.14,6044.36 ; PX1.3@7918.14,6263.85 8273.65,6263.85 ; PB2.1@8264.39,6154.2 8273.65,6263.85 ; PB2.1@8264.9,6150.92 8308.14,6044.36 ; PB2.1@8346.36,6181.26 8273.65,6263.85 ; PB2.1@8351.38,6150.92 8308.14,6044.36 ; 8273.65,6263.85 8308.14,6229.36 ; 8273.65,6263.85 PB2.1@8308.14,6159.36 ; 8308.14,6044.36 PB2.1@8308.14,6159.36 ; PB2.1@8308.14,6159.36 8308.14,6229.36 ; PB2.1@8308.14,6159.36 8308.14,6229.36 ; 8308.14,6229.36 8266.32,6173.22 8308.14,6229.36 ; 8308.14,6229.36 8349.96,6173.22 8308.14,6229.36
MAOUT11-: PB2.2@8108.14,6159.36 PX1.2 R9.2@7057.77,4759.88 | length 4020.9
  BottomLayer w30: R9.2@7055.85,4742.49 6978.14,4759.88 ; R9.2@7055.85,4777.28 6978.14,4759.88 ; R9.2@7057.77,4759.88 6978.14,4759.88 ; 8037.72,6161.48 PX1.2@7918.14,6163.85 ; 8039.81,6185.88 PX1.2@7918.14,6163.85 ; 8040.17,6136.37 PX1.2@7918.14,6163.85 ; PB2.2@8064.98,6150.53 8108.14,6049.36 ; PB2.2@8100.33,6116 7959,6163.85 ; PB2.2@8102.95,6203.11 7959,6163.85 ; PB2.2@8151.3,6150.53 8108.14,6049.36 ; 6978.14,4759.88 6948.14,4789.88 6948.14,5209.36 6993.14,5254.36 7913.64,5254.36 7973.14,5313.85 7973.14,5914.36 8108.14,6049.36 ; PX1.2@7918.14,6163.85 8103.65,6163.85 PB2.2@8108.14,6159.36 ; PX1.2@7918.14,6163.85 7959,6163.85 ; PX1.2@7918.14,6163.85 7959,6163.85 ; PX1.2@7918.14,6163.85 7959,6163.85 ; 7959,6163.85 PB2.2@8108.14,6159.36 ; 8108.14,6049.36 PB2.2@8108.14,6159.36
MAOUT21+: PB3.1@9108.14,6181.68 Q2.1@9142.83,5139.36 | length 3384.1
  BottomLayer w30: PB3.1@9065.22,6191.61 9108.14,6279.36 ; PB3.1@9108.14,6181.68 9108.14,6279.36 ; Q2.1@9142.83,5139.36 10038.14,5139.36 ccw(c10038.14,5196.86) 10095.64,5196.86 10095.64,6264.36 ccw(c10038.14,6264.36) 10038.14,6321.86 9150.64,6321.86 9108.14,6279.36 ; PB3.1@9151.06,6191.61 9108.14,6279.36
MCUVBAT: BT1.1 R190.2 U33.6 | length 3272.5
  TopLayer w20: 5977.53,13006.76 v2(5977.54,12936.76) 5977.53,13921.8 6009.98,13954.25 ; R190.2@6055.46,13954.25 6009.98,13954.25 ; BT1.1@6124.89,14108.3 6060.46,14041.31 ; BT1.1@6137.85,14092.78 6060.46,14041.31 ; BT1.1@6139.26,14120.12 6060.46,14041.31 ; 6009.98,13954.25 R190.2@6060.46,13954.25 6060.46,14041.31 ; 6060.46,14041.31 6072.85,14133.42 v2(6066.53,14081.83) ; 6060.46,14041.31 6092.48,14128.56 v2(6066.53,14081.83) ; 6060.46,14041.31 6109.74,14120.12 v2(6066.53,14081.83) ; 6060.46,14041.31 v2(6066.53,14081.83) ; 6060.46,14041.31 v2(6066.53,14081.83) ; 6060.46,14041.31 v2(6066.53,14081.83) ; v2(6066.53,14081.83) v2(6069.82,14140.38) 6064.18,14069 v2(6066.53,14081.83)
  BottomLayer w10: 6017.54,12936.75 v2(5977.54,12936.76) 6060.54,12936.75 6107.94,12889.35 6496.76,12889.35 6556.77,12949.35 U33.6@6841.28,12949.35 ; 6776.28,12949.35 U33.6@6811.03,12949.35
  other v2: 6209.97,14100.13 6208.51,14142.95
NetC4_1: C4.1@3587.74,14780.36 R100.2 R106.1 | length 1423.4
  BottomLayer w15: C4.1@3575.3,14781.56 3587.74,14845.36 C4.1@3600.18,14781.56 ; R106.1@3575.3,14874.15 3587.74,14810.36 ; C4.1@3587.74,14780.36 R106.1@3587.74,14880.36 ; R106.1@3587.74,14885.36 R100.2@3653.31,14888.61 ; R106.1@3587.9,14862.86 R100.2@3653.46,14869.94 ; R106.1@3588.31,14897.84 R100.2@3653.31,14888.61 ; R106.1@3588.75,14867.9 R100.2@3652.76,14879.34 ; R106.1@3588.94,14867.91 3652.74,14880.36 R106.1@3588.94,14892.8 ; R106.1@3589.14,14892.78 R100.2@3652.76,14879.34 ; R106.1@3589.55,14872.99 R100.2@3653.31,14888.61 ; R106.1@3589.94,14887.66 R100.2@3653.46,14869.94 ; R106.1@3600.18,14874.15 3587.74,14810.36 ; R100.2@3669.09,14866.55 R106.1@3605.53,14880.36 ; R100.2@3669.63,14891.42 R106.1@3605.53,14880.36 ; 3587.74,14810.36 3587.74,14875.36 R100.2@3653.46,14869.94 ; R106.1@3587.74,14880.36 3669.16,14880.36 R100.2@3670.56,14878.96 R106.1@3605.53,14880.36 ; R106.1@3587.74,14880.36 R100.2@3652.76,14879.34
NetC5_1: C5.1@3692.74,14616.21 R101.2 R107.1 | length 1508.7
  BottomLayer w15: R107.1@3602.74,14616.21 C5.1@3692.74,14616.21 3692.74,14695.36 3672.13,14715.97 ; R107.1@3607.06,14603.72 C5.1@3673.02,14606.4 ; R107.1@3607.06,14628.69 C5.1@3673.02,14626.01 ; R107.1@3610.76,14604.08 C5.1@3673.02,14626.01 ; R107.1@3610.76,14628.34 C5.1@3673.02,14606.4 ; R101.2@3659.73,14762.94 3672.13,14715.97 ; R101.2@3672.13,14764.55 3672.13,14715.97 ; R101.2@3672.13,14769.55 3672.13,14715.97 ; C5.1@3680.3,14617.41 3692.74,14681.21 C5.1@3705.18,14617.41 ; R101.2@3684.53,14762.94 3672.13,14715.97 ; C5.1@3686.54,14603.76 R107.1@3622.74,14616.21 ; C5.1@3686.54,14628.65 R107.1@3622.74,14616.21 ; C5.1@3687.74,14616.21 R107.1@3622.74,14616.21 ; R107.1@3607.74,14616.21 C5.1@3672.74,14616.21 ; R107.1@3607.74,14616.21 C5.1@3673.02,14606.4 ; R107.1@3607.74,14616.21 C5.1@3672.74,14616.21 ; R107.1@3607.74,14616.21 C5.1@3673.02,14626.01 ; C5.1@3672.74,14616.21 3608.94,14628.65 C5.1@3672.74,14616.21 ; C5.1@3672.74,14616.21 3608.94,14603.76 C5.1@3672.74,14616.21
NetC6_1: C6.1@4381.15,14801.22 R104.2 R108.1 | length 1158.8
  BottomLayer w15: C6.1@4368.71,14802.42 4381.15,14866.22 C6.1@4393.59,14802.42 ; R108.1@4368.71,14895.01 4381.15,14831.22 ; C6.1@4381.15,14801.22 R108.1@4381.15,14901.22 R104.2@4462.57,14901.22 ; R108.1@4381.15,14906.22 R104.2@4446.39,14910.74 ; R108.1@4381.48,14883.72 R104.2@4446.39,14891.69 ; R108.1@4381.48,14918.71 R104.2@4446.39,14910.74 ; R108.1@4382.36,14888.77 4446.15,14901.22 R108.1@4382.36,14913.66 ; R108.1@4383.21,14893.89 R104.2@4446.39,14910.74 ; R108.1@4383.21,14908.55 R104.2@4446.39,14891.69 ; R108.1@4393.6,14895.01 4381.15,14831.22 ; R104.2@4461.37,14888.77 4397.57,14901.22 R104.2@4461.37,14913.66 ; 4381.15,14831.22 4381.15,14896.22 R104.2@4446.39,14891.69